# Allegro board LAY_90818_C.brd (continued)
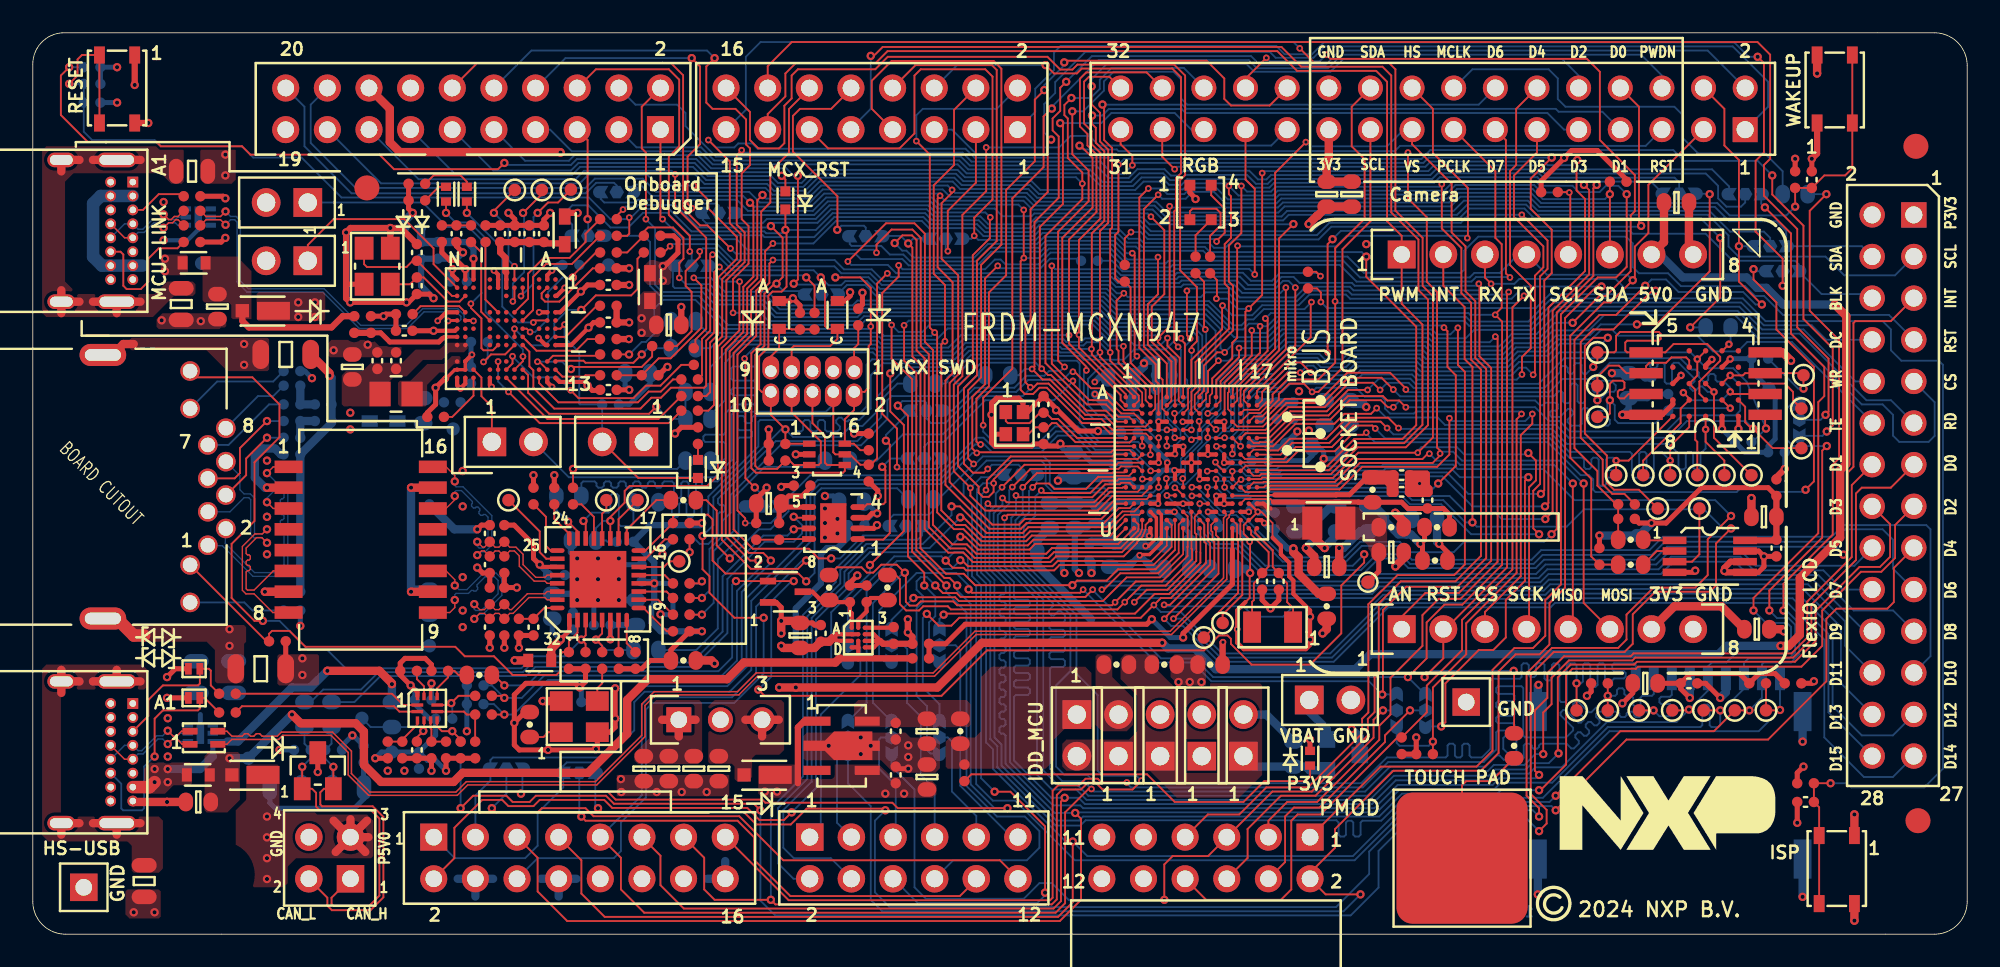
[diagram p0: board, top side]
## Routing (per net, layer and track width the routed paths; a pad name or vN(x,y) marks a point on that pad's centre or on a via; arc(x,y) is an arc through that point) (continued)
  BOTTOM w0.112: v2(91.88,24.41) 87.74,24.41 85.91,26.23 84.01,26.23 83.51,26.73 74.35,26.73 74.23,26.61 72.83,26.61 ; v1(90.83,43.89) 87.6,43.89 87.11,43.4 79.09,43.4 78.34,42.65 68.11,42.65 67.5,43.26 61.39,43.26 60.97,42.84 58.09,42.84 57.6,43.32 54.77,43.32 54.33,43.76 48.89,43.76 47.67,42.53 44.64,42.53 44.52,42.64 40.08,42.64 38.71,44.02 37.22,44.02 36.33,43.12 35.24,43.12 33.89,44.47 32.91,44.47 32.7,44.26 32.7,43.5 32.9,43.3 SJ18.1
P5_4/MC_VOLT_DCB: length 110
  TOP w0.102: U1.M12 v1(72.17,27.77)
  TOP w0.112: v2(92.26,25.33) 92.71,25.77 92.71,38.03 94.94,40.27 94.94,45.4 v2(94.62,45.72)
  BOTTOM w0.102: v1(72.17,27.77) 72.29,27.65 72.93,27.65 73.55,27.03 74.02,27.03 74.22,27.24
  BOTTOM w0.112: 74.22,27.24 83.76,27.24 84.26,26.74 86.42,26.74 87.44,25.72 89.22,25.72 89.61,25.33 v2(92.26,25.33) ; J2.7 31.56,49.09 32.88,47.77 40.67,47.77 41.47,46.97 56.42,46.97 56.96,46.42 64.36,46.42 65.14,45.65 67.11,45.65 67.63,46.17 68.87,46.17 69.31,45.72 70.07,45.72 70.42,46.07 73.96,46.07 74.48,45.55 75.43,45.55 75.72,45.84 85.48,45.84 85.83,46.19 91.78,46.19 92.07,45.9 94.44,45.9 v2(94.62,45.72)
P5_5/MC_CUR_DCB: length 64.6
  TOP w0.102: v1(71.64,28.25) 71.7,28.25 71.72,28.27 U1.K12
  TOP w0.112: v2(85.73,27.5) 86.8,28.57 86.8,34.1 86.3,34.61 86.3,36.8 v1(86.08,37.01)
  BOTTOM w0.102: 74.1,27.5 73.98,27.37 73.57,27.37 73.06,27.88 72.58,27.88 72.21,28.25 v1(71.64,28.25)
  BOTTOM w0.112: v1(86.08,37.01) 85.95,37.14 76.06,37.14 75.35,36.43 73.28,36.43 71.59,38.12 66.1,38.12 65.32,38.9 51.49,38.9 50.78,39.61 49.66,39.61 SJ17.3 ; 74.1,27.5 83.86,27.5 84.37,26.99 85.22,26.99 v2(85.73,27.5)
P5_6/PMOD_RESET: length 39.6
  TOP w0.102: v1(72.14,28.8) 72.14,28.76 72.63,28.27 U1.K13
  TOP w0.112: v2(91.23,27.88) 91.02,27.67 91.02,21.56 89.85,20.39 89.85,18.1 89.09,17.34 88.2,17.34 86.17,15.31 86.17,12.93 v2(85.91,12.68)
  BOTTOM w0.102: 76.05,28.18 74.12,28.18 73.66,28.64 73.06,28.64 72.81,28.39 72.45,28.39 72.14,28.7 v1(72.14,28.8)
  BOTTOM w0.112: 76.05,28.18 76.17,28.29 82.39,28.29 82.51,28.41 86.52,28.41 87.06,27.88 v2(91.23,27.88) ; SJ13.1 v2(85.91,12.68)
P5_7/ME_INT: length 159.1
  TOP w0.102: v1(72.7,27.27) 72.67,27.3 U1.L13
  TOP w0.112: J5.2 86.04,39.56 87.34,38.26 87.34,35.09 87.82,34.61 v2(87.82,25.13) ; v2(26.1,7.69) 26.86,8.45 28.89,8.45 29.27,8.07 30.31,8.07 30.69,8.45 34.96,8.45 35.45,7.96 43.99,7.96 v2(44.39,7.56) ; v2(91.88,6.29) 92.35,6.75 92.35,7.58 91.38,8.56 91.38,15.82 92.77,17.21 97.09,17.21 97.6,17.72 97.6,19.52 98.97,20.9 102.3,20.9 102.68,21.28 102.68,23.84 v2(103.59,24.76)
  BOTTOM w0.102: 73.12,26.82 72.7,27.24 v1(72.7,27.27)
  BOTTOM w0.112: v2(44.39,7.56) 44.39,2.05 45.29,1.15 80.39,1.15 82.09,2.85 82.09,5.08 84.31,7.31 90.87,7.31 v2(91.88,6.29) ; v2(103.59,24.76) 103.11,24.76 101.94,25.93 94.63,25.93 93.57,24.87 88.08,24.87 v2(87.82,25.13) 87.4,25.13 86.04,26.48 84.14,26.48 83.64,26.98 74.26,26.98 74.1,26.82 73.12,26.82 ; R46.1 v2(26.1,7.69)
P5_8: length 128.1
  TOP w0.102: v1(73.17,28.24) 73.17,28.24 U1.L14
  TOP w0.112: v1(67.07,46.92) 67.07,47.48 66.36,48.2 J9.31 ; U9.19 v2(35.23,25.21) 35.23,25.46 36.1,26.33 36.1,27.04 36.41,27.35 41.13,27.35 41.79,28.01 41.79,35.86 42.31,36.37 42.31,39.89 43.42,41.01 43.42,42.81 42.94,43.3 42.94,47.53 v1(43.24,47.83) ; v2(92.65,47.38) 91.38,46.1 91.38,44.26 92.65,42.99 92.65,40.34 92.2,39.88 92.2,27.07 v2(91.99,26.86)
  BOTTOM w0.102: v1(73.17,28.24) 73.74,28.24 74.01,27.97 76.15,27.97 76.21,28.04
  BOTTOM w0.112: v1(43.24,47.83) 43.39,47.69 56.71,47.69 57.26,47.14 65.13,47.14 65.89,46.38 66.54,46.38 v1(67.07,46.92) 67.22,47.06 84.83,47.06 85.15,47.38 v2(92.65,47.38) ; v2(91.99,26.86) 87.57,26.86 86.25,28.18 84.05,28.18 83.91,28.04 76.21,28.04 ; v2(35.23,25.21) 34.79,25.21 34.35,24.77 C62.1 34.98,24.02 35.06,23.94 R86.2
P5_9: length 70.2
  TOP w0.102: v1(73.7,27.74) 73.64,27.74 U1.M14
  TOP w0.112: J9.29 68.9,47.43 v1(69.65,46.68) ; v2(92.25,26.1) 92.45,26.31 92.45,38.23 94.69,40.46 94.69,44.86 94.17,45.38 94.17,47.19 v2(94.21,47.24)
  BOTTOM w0.112: v1(73.7,27.74) 73.73,27.76 84.02,27.76 84.19,27.94 85.99,27.94 87.82,26.1 v2(92.25,26.1) ; v1(69.65,46.68) 69.65,46.71 69.76,46.82 84.95,46.82 85.27,47.14 92.18,47.14 92.4,46.92 93.9,46.92 v2(94.21,47.24)
RESET_B: length 216.8
  TOP w0.102: U1.F3 v1(67.67,29.79)
  TOP w0.112: D16.1 45.92,29.93 R146.2 v2(45.91,30.8) 45.02,31.69 J23.10 44.47,33.09 44.31,33.25 44.31,35.25 44.87,35.81 44.87,38.96 45.12,39.21 45.68,39.21 45.98,39.51 45.98,42.9 v2(45.91,42.97) D1.C ; v1(36.38,43.72) 36.38,42.74 36.26,42.61 R132.2 ; SW1.4 SW1.3 3,53.65 2.73,53.37 2.73,52.39 v2(2.22,51.88) ; v2(44.58,19.31) 42.8,19.31 41.28,20.83 41.28,21.84 40.85,22.27 v2(40.85,24.3) ; v2(101.1,37.02) 102.93,38.85 v2(102.93,42.49)
  BOTTOM w0.112: v2(44.58,19.31) 44.58,15.91 42.79,14.11 37.81,14.11 37.4,13.71 37.4,8.35 35.88,6.82 35.88,5.07 35.44,4.64 30.8,4.64 J3.6 ; v2(102.93,42.49) 101.76,43.66 91.61,43.66 90.99,44.28 87.62,44.28 87,43.65 78.83,43.65 78.07,42.89 68.21,42.89 67.6,43.5 61.3,43.5 60.87,43.08 58.19,43.08 57.7,43.56 54.87,43.56 54.43,43.99 48.79,43.99 47.77,42.97 v2(45.91,42.97) 45.71,42.77 44.74,42.77 44.62,42.88 40.18,42.88 38.81,44.25 37.02,44.25 36.49,43.72 v1(36.38,43.72) 36.29,43.63 35.24,43.63 33.92,44.95 18.83,44.95 16.4,47.39 13.45,47.39 12.76,48.07 7.81,48.07 7.43,48.45 3.62,48.45 3.11,48.96 C5.1 R3.2 v2(2.22,51.88) ; v1(67.67,29.79) 67.42,30.04 65.04,30.04 63.86,31.23 63.86,34.82 63.69,34.99 62.29,34.99 62.17,35.12 57.36,35.12 56.6,34.36 53.06,34.36 51.5,32.79 51.5,31.89 50.61,31.01 49.91,31.01 49.24,30.34 46.37,30.34 v2(45.91,30.8) 45.66,30.8 41.51,26.66 41.51,24.96 v2(40.85,24.3) ; R61.1 v2(101.1,37.02)
USB_OTG_VBUS_5V: length 25.2
  TOP w0.508: v2(17.97,16.07) 21.14,16.07 21.91,15.31 v2(21.91,15.26)
  TOP w0.762: J11.A9 7.13,8.98 v2(7.43,9.28)
  POWER w0.762: v2(7.43,9.28) 7.13,8.98 J11.A9 J11.B4 3.98,8.98 ; 4.08,13.23 J11.B9 J11.A4
  BOTTOM w0.305: 11.87,11.76 U4.6 10.98,10.86
  BOTTOM w0.508: v2(8.23,10.08) 10.2,10.08 10.98,10.86 ; R35.1 v2(21.91,15.26) ; v2(17.97,16.07) 16.95,15.05 15.81,15.05 12.52,11.76 11.87,11.76
  vias: v2(7.43,10.08) v2(8.23,9.28)
VDD_P0/1: length 7.2
  TOP w0.254: U1.H8 v1(70.17,29.74) 70.13,29.79 69.69,29.79 U1.G7 v1(69.67,29.3) 69.57,29.3 69.54,29.27 U1.H6
  BOTTOM w0.508: R11.2 C13.1 67.78,34.64 v2(67.78,34.84) 67.94,34.99 C16.1 C14.1 C15.1
VREFO: length 2.7
  TOP w0.254: U1.U4 68.17,24.38 v1(68.1,24.31)
  BOTTOM w0.508: C26.1 TP1.1 67.93,24.48 v1(68.1,24.31)
XTAL: length 8.8
  TOP w0.102: U1.F1 66.67,30.28 65.95,30.28
  TOP w0.112: 65.95,30.28 63.71,30.28 62.55,31.44 62.17,31.44 61.78,31.82 C1.1 61.44,31.82 60.8,31.18 59.48,31.18 59.35,31.31 Y1.1
XTAL32K: length 7
  TOP w0.112: Y2.1 76.88,19.9 76.52,20.26 76.52,21.4 76.01,21.91 C101.1 75.64,22.41 75.64,23.43 74.57,24.49 74.57,24.67 U1.U17
N17070141: length 4.5
  TOP w0.112: U6.3 101.21,22.73 101.66,23.18 TP6.1
N17947336: length 3.2
  BOTTOM w0.508: R194.2 77.41,24.58 78.04,25.21 R21.1 79.18,26.1 R17.2
N17976562: length 0.8
  BOTTOM w0.508: L1.1 64.58,22.67 v2(64.58,22.04)
N18081997: length 1.7
  TOP w0.112: U7.A4 103.07,35.6 v3(103.47,36)
  BOTTOM w0.112: v3(103.47,36) 103.57,36.1 R61.2
N18146165: length 1.9
  TOP w0.112: U6.1 98.27,24.03 R55.2
N18146192: length 2.3
  TOP w0.112: U6.2 99.07,23.38 R56.2
N18170113: length 4.8
  TOP w0.112: TP7.1 107.38,32.58 107.38,33.09 106.87,33.6 U7.C5
N18244965: length 36.3
  TOP w0.112: v1(58.25,28.39) 58.02,28.16 57.34,28.16 56.8,28.7 56.8,33.31 57.59,34.1 57.59,41.09 58.8,42.3 58.8,52.73 58.5,53.03 53.85,53.03 J1.8
  BOTTOM w0.112: v1(58.25,28.39) 58.51,28.64 60.13,28.64 60.26,28.52 SJ1.2
N18244998: length 14.8
  TOP w0.112: J1.10 49.91,51.57 48.7,50.36 46.8,50.36 46.37,49.93 46.37,47.74 49.08,45.03 49.08,42.99 v2(49.07,42.98)
  BOTTOM w0.112: v2(49.07,42.98) 49.32,43.23 50.7,43.23 50.81,43.12 SJ2.2
N18245035: length 41.1
  TOP w0.112: J1.12 47.37,51.59 46.13,50.35 46.13,47.67 44.99,46.54 44.99,44.64 44.43,44.09 44.43,39.91 43.82,39.3 43.82,36.53 42.75,35.46 42.75,24.69 43.92,23.52 47.35,23.52 47.94,22.93 v2(48.7,22.93)
  BOTTOM w0.112: v2(48.7,22.93) 49.24,22.93 50.64,24.32 53.02,24.32 53.28,24.58 SJ3.2
N18245072: length 89
  TOP w0.112: J1.14 44.83,52.96 46.3,54.44 105.21,54.44 105.98,53.66 105.98,47.31 105.6,46.93 105.6,45.06 107.63,43.03 107.63,37.03 109.54,35.11 109.54,31.87 v2(109.36,31.69)
  BOTTOM w0.112: SJ4.2 109.05,31.39 v2(109.36,31.69)
N18245211: length 74.4
  BOTTOM w0.112: SJ5.2 104.46,44.64 104.2,44.39 103.31,44.39 102.81,44.9 102.81,45.66 102.05,46.41 92.23,46.41 91.98,46.67 85.59,46.67 85.24,46.32 75.53,46.32 75.26,46.05 74.74,46.05 74.2,46.59 70.2,46.59 69.91,46.29 69.42,46.29 69.04,46.68 67.38,46.68 66.84,46.14 65.62,46.14 64.86,46.9 57.16,46.9 56.61,47.45 41.67,47.45 39.81,49.31 39.81,50.11 39.31,50.61 36.77,50.61 J2.4
N18245248: length 19.2
  TOP w0.112: v1(40.08,41.66) 40.08,42.6 38.8,43.88 38.8,47.44 39.43,48.07 39.43,52.14 38.8,52.77 34.35,52.77 J2.6
  BOTTOM w0.112: v1(40.08,41.66) 40.08,41.65 40.19,41.53 SJ6.2
N18245285: length 22.3
  TOP w0.112: v1(40.21,44.29) 39.94,44.57 39.94,47.44 40.7,48.2 40.7,52.95 v2(40.19,53.45)
  BOTTOM w0.112: J2.8 32.49,53.45 v2(40.19,53.45) ; v1(40.21,44.29) 40.49,44.57 41.73,44.57 41.85,44.46 SJ7.2
N18245536: length 97.6
  BOTTOM w0.112: SJ14.2 105.98,42.49 105.6,42.87 103.54,42.87 102.27,44.13 91.81,44.13 91.19,44.76 87.3,44.76 86.67,44.13 76.51,44.13 76.17,43.79 69.09,43.79 68.43,44.45 61.07,44.45 60.53,44.99 55.95,44.99 55.5,45.44 48.19,45.44 47.39,44.64 44.35,44.64 43.71,45.29 38.02,45.29 37.21,46.1 34.28,46.1 33.72,45.53 19.7,45.53 16.95,48.28 16.95,50.61 J2.18
N18245546: length 25
  BOTTOM w0.112: SJ15.2 35.62,45.68 35.45,45.85 34.37,45.85 33.72,45.2 19.44,45.2 16.57,48.07 16.57,50.49 J2.20
N18245623: length 28.9
  TOP w0.112: v2(46.67,46.28) 46.67,46.27 46.67,39.95 v2(46.42,39.69)
  BOTTOM w0.112: v2(46.42,39.69) 46.47,39.64 47.9,39.64 48.11,39.43 SJ17.2 ; J2.9 30.03,47.19 32.7,47.19 33.04,47.53 40.57,47.53 41.37,46.73 45.97,46.73 46.42,46.28 v2(46.67,46.28)
N18245627: length 6.8
  TOP w0.112: v2(33.84,43.63) 33.84,48.45 J2.5
  BOTTOM w0.112: SJ18.2 33.88,43.59 v2(33.84,43.63)
N18245629: length 68
  BOTTOM w0.112: SJ19.2 100.43,45.88 100.15,46.16 92.15,46.16 91.88,46.43 85.71,46.43 85.36,46.08 75.62,46.08 75.33,45.79 74.61,45.79 74.07,46.33 70.31,46.33 69.99,46.01 69.37,46.01 68.95,46.42 67.51,46.42 66.97,45.89 65.26,45.89 64.48,46.66 57.06,46.66 56.52,47.21 41.57,47.21 40.77,48.01 36.83,48.01 J2.3
N18245645: length 8.9
  TOP w0.112: J1.3 57.53,45.85 55.82,44.14 55.82,41.7 55.82,41.7 v1(55.82,41.67)
  BOTTOM w0.112: SJ10.2 55.69,41.81 v1(55.82,41.67)
N18245647: length 65.5
  TOP w0.112: v2(106.74,39.56) 106.74,41.22 105.09,42.87 105.09,47.18 105.6,47.69 105.6,53.15 v2(105.22,53.53)
  BOTTOM w0.112: SJ11.2 v2(106.74,39.56) ; v2(105.22,53.53) 104.67,53.53 103.79,54.41 78.75,54.41 78.03,53.69 76.36,53.69 75.85,54.2 62.7,54.2 62.29,53.79 62.29,52.73 61.15,51.59 61.15,50.17 J1.1
N18245840: length 7.3
  BOTTOM w0.112: SJ21.2 55.82,12.01 56.07,11.75 56.07,8.7 57.55,7.22 J4.9
N18245857: length 13.2
  BOTTOM w0.112: J4.7 55.01,8.87 54.16,9.72 54.16,13.28 53.34,14.1 53.34,17.4 53.11,17.63 SJ22.2
N18245867: length 7.3
  BOTTOM w0.112: J4.5 52.64,6.09 52.64,9.08 51.62,10.1 51.62,11.88 51.75,12.01 SJ23.2
N18245871: length 7
  BOTTOM w0.112: J4.3 49.06,6.8 49.06,11.85 49.21,12.01 SJ24.2
N18245879: length 13.6
  BOTTOM w0.112: SJ25.2 50.35,17.59 50.48,17.47 50.48,15.82 48.07,13.4 48.07,6.6 J4.1
N18245962: length 16.3
  TOP w0.112: J7.6 74.1,4.65 74.1,6.42 76.14,8.45 78.24,8.45 81.79,11.99 81.79,13.09 v2(82.36,13.66)
  BOTTOM w0.112: SJ12.2 v2(82.36,13.66)
N18246201: length 30.1
  TOP w0.112: v2(33.46,7.18) 33.72,6.93 42.99,6.93 44,5.91 44,4.54 46.21,2.33 56.55,2.33 57.55,3.33 J4.10
  BOTTOM w0.112: v2(33.46,7.18) 33.34,7.31 SJ8.2
N18246203: length 36.9
  TOP w0.112: v2(28,7.69) 28.26,7.43 30.8,7.43 31.05,7.69 33.72,7.69 34.21,7.2 43.1,7.2 45.78,4.51 58.99,4.51 60.09,3.41 J4.12
  BOTTOM w0.112: v2(28,7.69) 28.89,8.58 SJ9.2
N18256242: length 10.8
  TOP w0.508: 3.67,38.59 J17.SH2 ; J17.SH2 5.12,37.89 ; J17.SH2 6.57,38.59 ; 1.74,37.89 J17.SH4 ; J17.SH4 1.74,39.29 ; J17.SH4 2.84,38.59 ; 2.84,47.24 J17.SH3 1.74,46.54 ; 3.67,47.24 J17.SH1 6.57,47.24
N18256939: length 6.6
  TOP w0.203: U11.N8 25.08,36.45 24.99,36.35
  TOP w0.305: 24.99,36.35 24.77,36.14 21.78,36.14 21.22,36.69 R107.1
  TOP w0.381: R107.1 R106.2
N18262974: length 15.4
  TOP w0.508: J11.SH3 1.74,16.12 ; J11.SH3 2.84,15.43 ; J11.SH3 1.74,14.73 ; 3.67,6.78 J11.SH2 ; J11.SH2 6.57,6.78 ; J11.SH2 5.12,6.08 ; J11.SH1 6.57,15.43 ; J11.SH1 5.12,16.12 ; J11.SH1 3.67,15.43 ; 1.74,6.08 J11.SH4 2.84,6.78
  BOTTOM w0.508: 3.67,15.43 J11.SH1 5.12,16.12 ; 1.74,16.12 J11.SH3 2.84,15.43
N18269981: length 11.4
  TOP w0.112: U5.1 22.6,13.98 21.91,14.67 R48.2
N18269984: length 11.4
  TOP w0.112: U5.2 22.36,13.58 22.03,13.91 12.76,13.91 R47.2
N18272407: length 6.8
  TOP w0.102: U1.T15 73.66,25.26 73.66,24.16 73.72,24.1
  TOP w0.112: TP3.1 72.58,19.5 73.78,20.7 73.78,24.04 73.72,24.1
N18275227: length 1.8
  TOP w0.254: R33.1 52.48,18.7 U3.A3
N18275826: length 3.2
  TOP w0.254: R28.2 52.01,20.51 51.12,20.51 R26.2 50.86,19.69 50.35,19.18 U3.A2
N18276397: length 3.1
  TOP w0.112: U5.9 24.66,15 25.34,15.67 R39.2 25.72,16.07 25.97,15.82 R44.1
N18276876: length 4.7
  TOP w0.254: Q1.3 47.56,20.9 48.07,20.39 R34.2 48.7,20.26 R32.2 49.85,19.69 49.95,19.58 U3.A1
N18278352: length 5.6
  TOP w0.112: C40.1 23.43,12.01 23.82,12.4 v2(23.82,12.4) 23.87,12.44 U5.4
  BOTTOM w0.112: v2(23.82,12.4) 23.58,12.64 R35.2 20.61,12.64 TP47.1
N18280400: length 1.7
  TOP w0.112: R41.2 23.43,15.56 23.87,15.13 U5.11
N18280695: length 2.6
  TOP w0.112: U5.3 23.47,12.8 22.54,11.88 R50.1 R42.2
N18280707: length 2.2
  TOP w0.112: U5.5 24.27,12.57 24.32,12.51 R49.1 R40.2
N18282084: length 4
  TOP w0.112: U5.7 26.3,13.58 26.48,13.4 R45.2 R38.2
N18282089: length 3.5
  TOP w0.112: U5.8 25.41,13.98 v2(25.53,14.1) 25.97,14.55 R43.2
  BOTTOM w0.112: R37.2 25.59,14.04 v2(25.53,14.1)
N18282098: length 3.1
  TOP w0.112: R36.2 26.1,11.88 v2(25.59,12.39) 24.95,12.39 24.66,12.68 U5.6
  BOTTOM w0.112: R36.2 26.1,11.88 v2(25.59,12.39)
N18293014: length 1.8
  TOP w0.112: R189.2 C85.1 R116.2
N18308453: length 5
  TOP w0.112: R134.2 R135.1 46.29,36.9 46.25,36.94 D14.C 45.53,35.75 45.02,35.25 J23.9
N18311263: length 1.6
  TOP w0.112: R108.2 24.77,45.6 D10.A
N18311339: length 1
  TOP w0.112: D11.A R109.2
N18311378: length 3.2
  TOP w0.112: R114.2 24.45,46.3 26.1,46.3 26.48,45.91 D12.A
N18326210: length 2.8
  TOP w0.112: U9.18 35.73,25.32 TP19.1
N18326309: length 3.7
  TOP w0.112: R68.1 31.3,25.47 31.3,23.69 31.58,23.41 U9.25
N18326312: length 2.5
  TOP w0.112: R67.1 31.81,25.34 32.73,24.43 U9.24
N18326469: length 2.4
  TOP w0.112: TP20.1 34.99,25.92 34.73,25.66 U9.20
N18326563: length 2.3
  TOP w0.112: U9.13 38.55,21.91 R70.2
N18326577: length 2.9
  TOP w0.112: U9.21 34.23,25.46 33.46,26.23 R71.2
N18326609: length 2.6
  TOP w0.112: TP21.1 38.86,22.75 38.84,22.72 38.81,22.72 38.49,22.41 U9.14
N18326622: length 2.6
  TOP w0.112: R75.2 38.57,24.1 37.38,22.91 U9.15
N18326681: length 2.5
  TOP w0.112: R80.2 38.14,20.41 U9.10
N18326713: length 2.2
  TOP w0.112: R79.2 38.66,20.91 U9.11
N18326873: length 5.2
  TOP w0.112: TP22.1 30.92,24.58 30.92,23.31 31.32,22.91 U9.26
N18327158: length 2.6
  TOP w0.112: U9.32 31.2,19.91 C63.1 R87.1
N18327491: length 4.8
  TOP w0.112: R81.1 34.73,17.59 v2(34.35,17.97) 34.73,18.35 U9.5
  BOTTOM w0.112: v2(34.35,17.97) 34.99,17.34 R85.1
N18331420: length 3.6
  TOP w0.305: v2(51.51,25.68) 51.2,25.68 50.93,25.41 U10.3
  BOTTOM w0.305: R199.2 50.74,25.14 51.27,25.68 v2(51.51,25.68) 50.8,26.38 C65.1
N18331439: length 5.3
  TOP w0.305: R198.2 47.43,27.25 46.93,26.74 46.11,26.74 C64.1 ; C64.1 45.87,26.06 U10.5 ; C64.1 45.53,26.15 R97.1
N18331754: length 3.2
  TOP w0.112: U10.8 45.57,24.11 R97.2 R103.1
N18332056: length 9.3
  BOTTOM w0.305: R98.2 14.46,8.02 14.79,7.69 19.62,7.69 20.2,8.27 R102.1 20.18,8.98 C67.1
N18351406: length 14.5
  BOTTOM w0.112: SJ20.2 56.28,17.63 56.58,17.34 56.58,9.06 59.71,5.92 J4.11
N18387032: length 8.2
  TOP w0.102: U1.T14 73.46,24.99 73.46,24.04
  TOP w0.112: 73.46,24.04 73.52,23.97 73.52,20.83 71.94,19.24 71.94,18.61 TP2.1
N18488997: length 51.2
  TOP w0.112: D1.A 45.91,46.05 v2(45.69,46.28) ; v2(2.22,52.9) 1.71,52.39 1.71,49.98 3.36,48.33 7.56,48.33 7.81,48.07 12.76,48.07 13.27,47.57 21.14,47.57 22.03,46.68 28.38,46.68 v2(28.76,47.06)
  BOTTOM w0.112: v2(2.22,52.9) R4.2 ; v2(28.76,47.06) 28.89,46.94 32.83,46.94 33.19,47.29 40.47,47.29 41.27,46.49 45.47,46.49 v2(45.69,46.28)
N18489354: length 5.5
  TOP w0.112: R5.1 71.82,42.61 72.45,43.25 72.45,44.01 72.2,44.26 70.74,44.26 70.58,44.11 D2.2
N18489379: length 2.6
  TOP w0.112: R6.1 70.93,42.64 D2.3
N18489398: length 11.6
  TOP w0.112: v1(66.99,42.84) 66.61,42.46 66.61,40.83 ; D2.4 71.88,45.09 72.71,44.26 72.71,42.79 72.21,42.3 v1(72.21,42.27)
  BOTTOM w0.112: v1(66.99,42.84) 67.58,42.84 68.01,42.41 72.06,42.41 v1(72.21,42.27)
N18504747: length 7.5
  TOP w0.203: v1(67.52,23.12) 67.57,23.16 68.12,23.16 68.85,23.89 68.85,25.6 U1.R5
  BOTTOM w0.381: 67.99,22.65 v1(67.52,23.12) 67.03,22.63
  BOTTOM w0.508: 67.99,22.65 68.35,22.29 C25.1 ; 67.03,22.63 66.82,22.42 R171.2
N18505185: length 11.4
  TOP w0.254: U1.R12 v1(71.69,25.77)
  TOP w0.381: v1(72.6,17.82) 72.58,17.79 R212.2
  POWER w0.305: v1(71.69,25.77) 71.69,25.72 72.45,24.96 72.45,17.97 v1(72.6,17.82)
  BOTTOM w0.381: v1(71.69,25.77) 72.33,25.14 C29.1
N18565447: length 15.7
  TOP w0.112: J7.4 76.39,4.4 76.39,7.19 76.93,7.73 78.49,7.73 82.49,11.73 82.49,12.13 v2(84.01,13.66)
  BOTTOM w0.112: SJ13.2 v2(84.01,13.66)
N18566301: length 2.8
  TOP w0.508: v2(78.68,18.36) 78.93,18.61 R15.1
  BOTTOM w0.508: D17.3 80.95,12.02 v2(80.45,12.51)
N18567034: length 2.9
  BOTTOM w0.508: JP6.1 77.86,13.58 78.94,12.5 D17.2
N18602883: length 2.9
  TOP w0.112: J23.1 50.1,35.75 50.35,36.01 R188.2
N18782096: length 2
  TOP w0.112: Y3.1 31.45,12.33 31.15,12.03 R154.1
N18782104: length 2.1
  TOP w0.112: R81.2 34.73,15.31 34.44,15.01 Y3.3
N18785538: length 6.7
  BOTTOM w0.112: J16.10 11.25,33.72 14.67,33.72 R66.1
N18785600: length 5.9
  BOTTOM w0.112: R69.1 13.4,19.75 12.91,20.24 J16.12
N18786729: length 15.8
  TOP w0.508: v2(18.1,34.08) 18.1,34.23 C61.1
  BOTTOM w0.508: R74.2 R72.2 16.32,29.28 18.22,31.18 R84.2 R83.2 18.22,33.95 v2(18.1,34.08)
N18786733: length 2
  BOTTOM w0.508: R76.2 R77.2 R83.1
N18786737: length 1.9
  BOTTOM w0.508: R73.2 R78.2 R84.1
N179915740: length 23.3
  TOP w0.112: R24.2 57.25,9.76 67.97,9.76 69.66,8.07 73.85,8.07 75.12,9.34 77.66,9.34 77.91,9.59 D5.A

## Copper pours and planes (outline as drawn; the poured copper is in the pictures)
GND on TOP (solid shape): 85.23,28.15 85.23,27.44 85.39,27.28 85.39,26.85 85.22,26.68 83.88,26.68 83.7,26.86 83.7,28.2 83.8,28.3 85.08,28.3
GND on TOP: 18.22,36.26 20.76,36.26 21.14,35.88 22.41,35.88 22.49,35.81 22.49,35.35 22.34,35.2 18.15,35.2 17.97,35.37 17.97,36.01
GND on TOP: 47.23,12.31 53.22,12.31 53.53,12.01 55.05,12.01 55.33,11.73 55.33,10.13 55.05,9.85 52.51,9.85 51.75,10.61 47.13,10.61 47,10.74 47,12.08
GND on TOP: 35.62,9.72 35.62,8.07 42.48,8.07 42.48,9.72
GND on TOP: 5.78,2.73 7.68,2.73 7.81,2.61 7.81,1.08 7.68,0.96 5.9,0.96 5.65,1.21 5.65,2.61
GND on TOP: 15.02,15.18 17.36,15.18 17.46,15.28 17.46,16.98 17.36,17.09 15.02,17.09 14.92,16.98 14.92,15.28
GND on TOP: 7.91,37.89 11.64,37.89 11.8,37.74 11.8,37.1 11.72,37.02 11.49,37.02 11.39,36.92 7.68,36.92 7.56,37.05 7.56,37.53
GND on TOP: 10.48,45.79 12.13,45.79 12.38,46.04 12.38,47.82 12.13,48.07 10.48,48.07 10.22,47.82 10.22,46.04
GND on BOTTOM: 74.61,32.2 79.18,32.2 79.44,32.45 79.44,33.47 79.31,33.6 77.02,33.6 76.39,32.96 74.74,32.96 74.48,32.71 74.48,32.33
GND on BOTTOM: 33.18,23.28 35.9,23.28 36,23.18 36,20.26 35.88,20.13 33.08,20.13 32.96,20.26 32.96,23.05
GND on BOTTOM: 9.33,15.18 8.57,15.94 7.68,15.94 7.56,15.82 7.56,13.28 7.94,12.89 8.57,12.89 8.83,13.15 12.76,13.15 13.02,13.4 13.02,14.93 12.76,15.18
GND on BOTTOM: 22.92,34.1 25.34,34.1 25.46,33.98 25.46,32.33 25.34,32.2 22.92,32.2 22.8,32.33 22.8,33.98
GND on GND: 113,54.49 114.06,54.05 114.49,53 114.49,2 114.06,0.94 113,0.51 2,0.51 0.94,0.94 0.51,2 0.51,18.86 7.81,18.86 7.87,18.93 11.43,18.93 11.87,19.37 11.87,23.56 12.51,24.2 12.51,35.75 12.38,35.88 0.63,35.88 0.51,36.01 0.51,53.08 0.9,54.06 1.85,54.49
GND on POWER: 3.62,47.95 11.87,47.95 13.02,46.8 16.45,46.8 19.75,43.5 24.57,43.5 25.21,42.87 26.61,42.87 27.24,42.23 27.24,37.53 26.99,37.28 24.07,37.28 23.3,36.52 20,36.52 17.59,38.93 11.49,38.93 10.98,38.42 10.98,37.41 10.73,37.15 3.75,37.15 3.24,37.66 3.24,47.57
GND on POWER: 6.67,14.67 11.24,14.67 11.49,14.42 11.49,8.07 11.11,7.69 7.05,7.69 6.67,8.07
GND_ENET on TOP: 11.87,34.36 12.64,34.36 12.89,34.61 12.89,36.39 6.03,36.39 5.9,36.26 5.9,35.75 6.03,35.63 10.6,35.63
GND_ENET on TOP: 12.61,34.36 14.31,34.36 14.41,34.46 14.41,36.29 14.31,36.39 12.61,36.39 12.51,36.29 12.51,34.46
GND_ENET on TOP: 6.16,18.86 12.89,18.86 13.02,18.74 13.02,17.85 12.89,17.72 12.89,15.43 12.76,15.31 11.24,15.31 11.11,15.43 11.11,17.34 10.6,17.85 6.16,17.85
GND_ENET on BOTTOM: 15.18,16.45 15.18,18.36 14.92,18.61 11.62,18.61 11.37,18.36 11.37,16.45 11.62,16.2 14.92,16.2
P3V3 on TOP: 55.94,12.01 57.47,12.01 57.85,12.39 57.85,15.69 58.48,16.32 64.2,16.32 64.58,15.94 64.58,12.64 64.45,12.51 62.93,12.51 62.29,11.88 62.29,10.61 61.78,10.1 55.82,10.1 55.69,10.23 55.69,11.75
P3V3 on TOP: 37.27,39.87 37.52,39.61 38.79,39.61 38.92,39.74 38.92,39.99 38.96,40.04 38.96,41.1 38.92,41.14 37.65,41.14 37.27,40.76
P3V3 on BOTTOM: 18.96,30.55 20.92,30.55 21.02,30.65 21.02,31.97 20.92,32.07 18.96,32.07 18.86,31.97 18.86,30.65
P3V3 on BOTTOM: 23.43,6.93 23.43,4.77 23.94,4.26 32.83,4.26 33.34,3.75 33.34,1.59 32.83,1.08 21.65,1.08 21.02,1.72 21.02,9.97 21.27,10.23 23.81,10.23 24.07,9.97 24.07,7.56
P3V3 on POWER: 90.04,0.77 89.72,1.08 55.31,1.08 54.93,1.46 54.93,8.7 54.29,9.34 19.24,9.34 18.86,9.72 18.86,35.75 19.24,36.14 27.11,36.14 27.62,36.64 27.62,42.36 26.86,43.12 25.21,43.12 24.57,43.76 19.87,43.76 16.57,47.06 13.27,47.06 12.13,48.2 3.57,48.2 3.31,48.45 3.31,54.3 3.57,54.55 109.41,54.55 116.65,47.31 116.65,8.45 108.96,0.77 ; 1 cut-out
P3V3_MCU on TOP: 66.61,17.09 68.52,17.09 68.64,16.96 68.64,16.07 69.4,15.31 74.87,15.31 74.99,15.18 74.99,9.72 73.6,8.32 69.79,8.32 68.13,9.97 63.05,9.97 62.8,10.23 62.8,11.62 63.05,11.88 66.86,11.88 67.37,12.39 67.37,14.55 66.36,15.56 66.36,16.83
P5V0 on TOP: 12.38,7.56 12.38,3.5 13.02,2.86 15.3,2.86 15.56,3.12 15.56,4.13 16.06,4.64 20.64,4.64 20.76,4.77 20.76,6.93 20.38,7.31 17.33,7.31 17.21,7.43 15.3,7.43 15.05,7.69 15.05,10.23 14.92,10.35 13.14,10.35 13.02,10.23 13.02,8.2
P5V0 on TOP: 17.74,37.41 17.84,37.51 17.84,39.08 17.74,39.18 13.78,39.18 13.65,39.06 13.65,37.53 13.78,37.41
P5V0 on TOP: 44.39,10.35 51.62,10.35 52.39,9.59 53.66,9.59 53.91,9.34 54.88,9.34 55.13,9.08 55.13,8.55 54.9,8.32 44.51,8.32 44.26,8.58 44.26,10.23
P5V0 on BOTTOM: 45.15,18.1 47.05,18.1 47.43,17.72 47.43,10.1 45.27,7.94 43.37,7.94 43.37,9.47 45.15,11.24
P5V0 on POWER: 18.22,9.47 18.22,16.32 16.95,17.59 16.95,30.67 17.79,31.51 17.79,38.35 17.33,38.8 11.75,38.8 11.37,38.42 11.37,23.18 10.6,22.42 10.6,17.59 12.13,16.07 12.13,2.35 13.52,0.96 54.04,0.96 54.55,1.46 54.55,8.58 54.16,8.96 18.73,8.96
P5V0_MCU_LINK_USB on TOP: 7.94,40.2 9.33,40.2 9.46,40.33 9.46,41.37 9.36,41.47 7.91,41.47 7.81,41.37 7.81,40.33
P5V0_MCU_LINK_USB on BOTTOM: 4.38,40.45 6.62,40.45 6.87,40.2 10.86,40.2 11.24,40.58 11.24,43.37 10.6,43.37 10.6,41.85 10.35,41.6 6.79,41.6 6.41,41.22 4.38,41.22 4.25,41.09 4.25,40.58
P5V_HDR_IN on TOP: 41.21,13.91 41.21,10.51 41.31,10.41 42.63,10.41 42.81,10.23 42.81,9.47 42.94,9.34 43.62,9.34 43.88,9.59 43.88,10.74 44.09,10.95 45.54,10.95 45.83,11.24 45.83,14.11 45.66,14.29 41.59,14.29
P5V_MCU_LINK_USB on TOP: 10.35,41.34 10.35,38.68 10.48,38.55 11.95,38.55 12.1,38.4 12.1,37.63 12.2,37.53 13.33,37.53 13.33,40.47 12.46,41.34
P5V_USB_HS on TOP: 10.73,11.12 12.51,11.12 12.64,10.99 12.64,8.2 11.87,7.43 10.6,7.43 10.48,7.56 10.48,10.86
VDD_BAT on POWER: 76.44,25.29 73.29,25.29 72.71,24.71 72.71,16.2 70.42,13.91 70.42,12.95 70.8,12.56 72.15,12.56 72.43,12.84 72.43,13.76 75.12,16.45 75.12,20.51 77.41,22.8 77.41,24.32
VDD_CORE on POWER: 71.18,28.13 73.6,28.13 74.74,29.28 78.93,29.28 79.18,29.02 79.18,27.37 79.95,26.61 83.12,26.61 83.37,26.36 83.37,25.21 82.99,24.83 78.37,24.83 76.85,26.36 73.75,26.36 72.91,25.52 72.45,25.52 71.77,26.2 71.59,26.2 70.93,26.86 70.93,27.88
VDD_CORE_SYS on POWER: 73.24,12.54 74.38,12.54 77.28,15.43 77.28,18.86 77.68,19.27 80.99,19.27 84.9,23.18 84.9,23.94 84.64,24.2 81.09,24.2 79.56,22.67 77.53,22.67 75.25,20.39 75.25,16.2 72.99,13.94 72.99,12.79
VDD_DCDC on POWER: 74.1,25.47 76.14,25.47 78.68,22.93 79.44,22.93 80.2,23.69 80.2,24.32 79.95,24.58 78.68,24.58 76.52,26.74 74.48,26.74 73.98,26.23 73.98,25.59
VDD_IO_USB on TOP: 69.4,16.83 69.4,15.69 69.91,15.18 71.56,15.18 71.56,16.83 71.31,17.09 69.66,17.09
VDD_IO_USB on BOTTOM: 71.69,15.82 71.69,15.31 70.04,13.66 70.04,12.77 69.66,12.39 68.01,12.39 67.75,12.64 67.75,14.16 63.94,17.97 63.94,19.75 64.07,19.88 64.83,19.88 68.52,16.2 71.31,16.2
VDD_IO_USB on POWER: 63.94,28.52 69.86,22.6 69.86,19.7 67.88,17.72 67.88,12.64 68.01,12.51 69.66,12.51 70.17,13.02 70.17,14.06 72.45,16.35 72.45,25.32 71.74,26.03 71.51,26.03 69.02,28.52 68.49,28.52 66.99,30.01 66.99,34.99 67.5,35.5 68.39,35.5 71.06,32.83 78.93,32.83 80.45,31.31 80.83,31.31 81.72,32.2 81.72,36.14 80.71,37.15 64.96,37.15 63.94,36.14
VDD_LDO_CORE_IN on POWER: 69.15,29.02 69.91,29.02 70.93,30.04 70.93,30.67 72.83,32.58 78.8,32.58 80.71,30.67 80.71,28.52 81.09,28.13 84.26,28.13 86.93,25.47 86.93,23.69 86.68,23.44 85.28,23.44 85.15,23.56 85.15,24.07 84.77,24.45 84.01,24.45 83.5,24.96 83.5,26.36 83.12,26.74 79.95,26.74 79.31,27.37 79.31,30.29 78.17,31.44 73.47,31.44 71.31,29.28 71.31,28.52 70.8,28.01 69.66,28.01 69.02,28.64 69.02,28.9
VDD_P2 on POWER: 61.91,28.13 61.91,22.04 62.17,21.78 63.31,21.78 64.07,22.55 67.12,22.55 67.25,22.67 67.25,23.94 62.93,28.26 62.04,28.26
VDD_P3 on BOTTOM: 74.61,31.69 78.04,31.69 78.17,31.56 80.83,31.56 80.96,31.44 80.96,30.55 80.83,30.42 77.79,30.42 77.28,30.93 74.61,30.93 74.48,31.06 74.48,31.56
VDD_P3 on POWER: 70.93,29.53 70.93,28.64 71.26,28.31 73.52,28.31 74.74,29.53 78.17,29.53 78.42,29.79 78.42,30.93 78.04,31.31 72.71,31.31
VDD_SYS on TOP (solid shape): 83.31,28.15 83.31,26.81 83.17,26.68 82.74,26.68 82.58,26.84 82.58,27.33 82.47,27.44 81.27,27.44 81.09,27.63 81.09,28.13 81.25,28.3 83.16,28.3
DCDC_LX on TOP: 74.61,26.48 75.37,26.48 75.63,26.23 78.55,26.23 78.68,26.1 78.68,24.2 78.55,24.07 76.64,24.07 74.48,26.23 74.48,26.36
DCDC_VDD_CORE on TOP: 79.44,26.1 79.44,24.2 79.56,24.07 81.09,24.07 81.47,23.69 81.47,23.18 81.85,22.8 82.36,22.8 82.61,23.05 82.61,25.47 82.36,25.72 81.22,25.72 80.71,26.23 79.56,26.23
